# Altium PCB radxa_nx4_io_board_v1.11.PcbDoc (part 7 of 13) (continued)
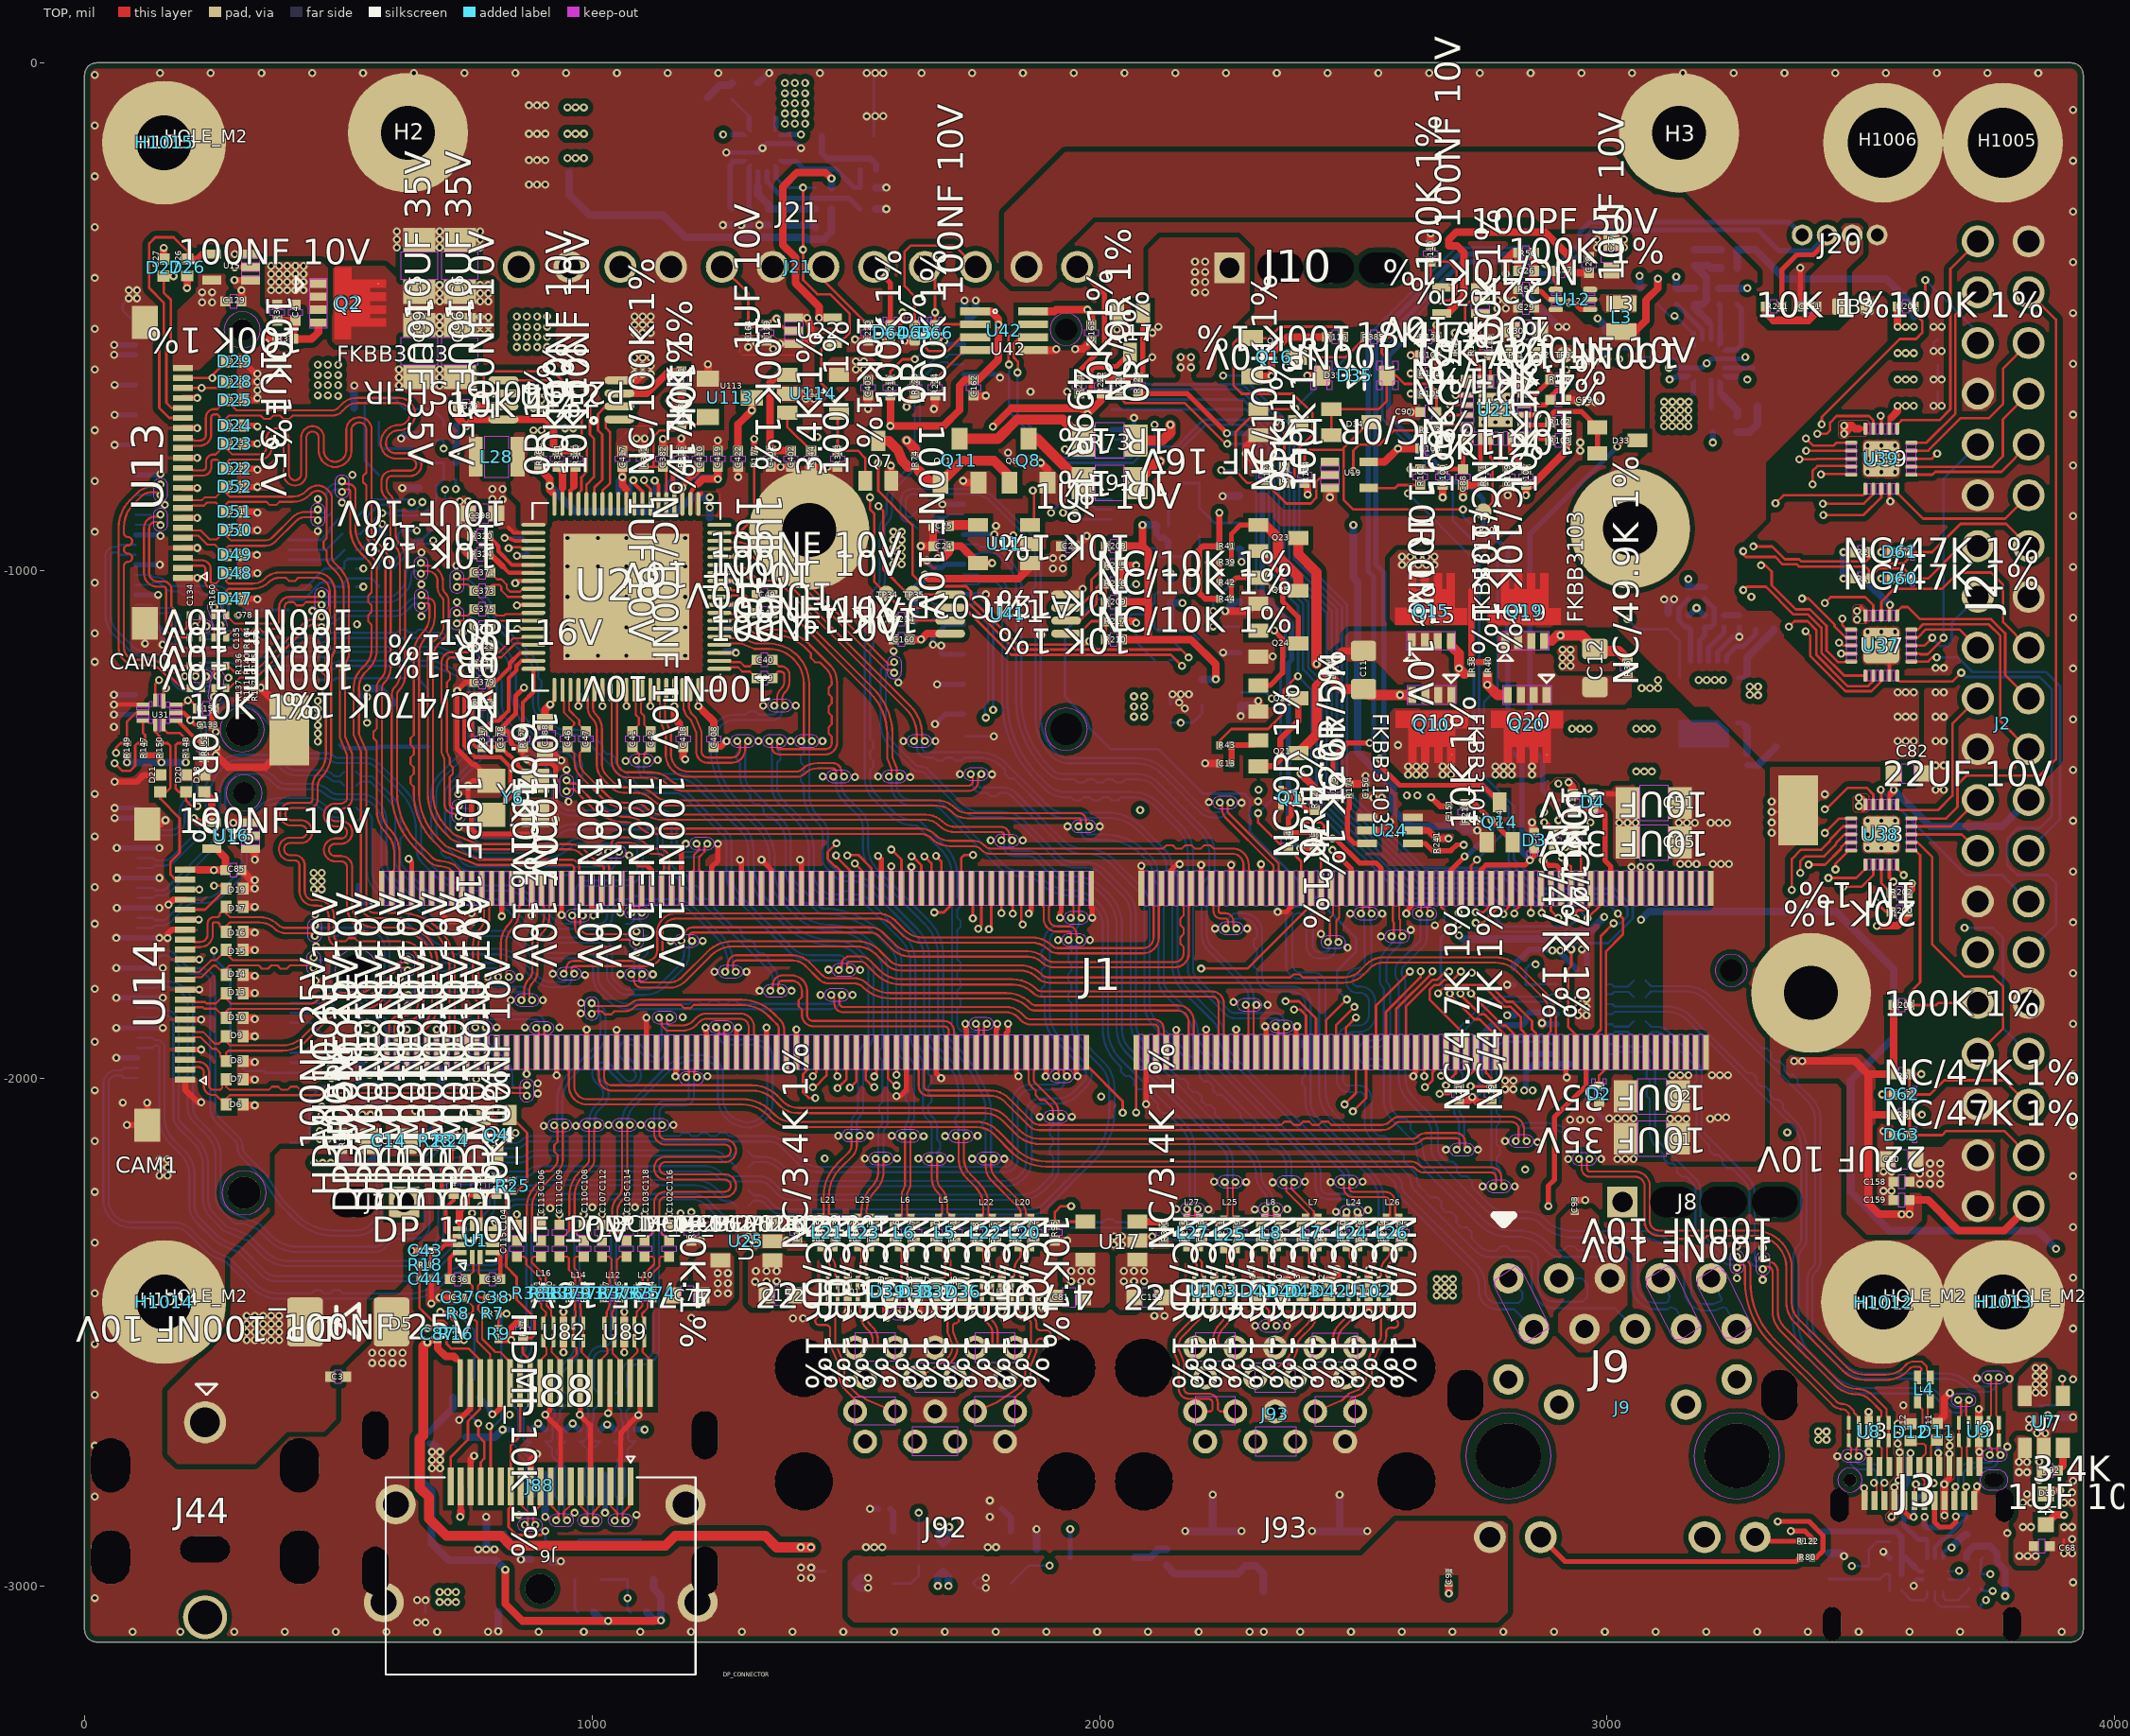
[diagram p0: TOP view]
## Nets (pads, with @x,y where several pads share a name; then routed paths per layer and width w, separated by ;. In a path a pad name is that pad's centre, name@x,y a point inside that pad or via, vN(x,y) a via of type N, cw(c..) or ccw(c..) an arc to the next point about the centre after c; other vN are vias at no path point) (continued)
  other v1: 453.56,-2167 469.56,-2167 485.56,-2167 464,-2120 480,-2120 464,-2104 468,-2072 484,-2072 468,-2056 452.52,-1628 468,-1628 452,-1612 468,-1612 452,-1596 468,-1596 460,-1337 460,-1321 460,-1305 460,-1289 460,-1273 460,-1257 460,-655 480,-655 460,-635 480,-635 500,-635 460,-615 480,-615 500,-615 460,-595 480,-595 500,-595 952,-188 968,-188 984,-188 952,-140 968,-140 984,-140 952,-88 968,-88 984,-88
MOD_SLEEP: J1.178 R14.1 R133.1 R226.1 U108.4 | length 3147.3
  TOP w5: R226.1@2040,-651.75 2040,-660 2050.09,-670.09 2167.88,-670.09 2248.44,-750.65 v1(2251.49,-750.65) ; v1(2312.55,-1477.99) 2312.55,-1496.55 2363.75,-1547.75 R14.1@2372,-1547.75 2397.04,-1572.79 J1.178@2397.04,-1626.09
  ART03 w5: v1(1901.78,-2959.75) 2016.5,-2845.03 2016.5,-2379.5 2072,-2324 2072,-2116 2112,-2076 2112,-2044 2057.58,-1989.58 2057.58,-1574.37 2153.96,-1477.99 v1(2312.55,-1477.99)
  BOTTOM w5: U108.4@1825.4,-2995.18 1860.83,-2959.75 R133.1@1876,-2959.75 v1(1901.78,-2959.75) ; v1(2251.49,-750.65) 2292.97,-750.65 2308.52,-766.2 2308.52,-1051.76 2365.94,-1109.18 2365.94,-1170.82 2356.49,-1180.27 2356.49,-1434.05 v1(2312.55,-1477.99)
MODE: J88.13 R17.2 U1.4 | length 341.4
  TOP w5: U1.4@804.48,-2327.87 819.47,-2327.87 831.25,-2339.65 831.25,-2371.25 852,-2392 852,-2436.54 887.1,-2471.64 887.1,-2505.99 881.34,-2511.75 R17.2@864,-2511.75 864,-2541.23 878.31,-2555.54 J88.13@878.31,-2600.64
MODULE_ID: J1.217 Q25.1 R42.1 R43.2 R44.2 | length 1520.8
  TOP w5: R43.2@2236.19,-1344 2236.19,-1335.81 2259.87,-1312.13 2331.87,-1312.13 2363.18,-1280.82 2363.18,-1234.7 2389.54,-1208.34 v1(2390.94,-1208.34) ; Q25.1@2312.63,-1014.41 2320.41,-1014.41 v1(2341,-1035) ; v1(2689.85,-1833.21) 2689.85,-1835.73 2738.12,-1884 2748.45,-1884 2780.9,-1916.45 J1.217@2780.9,-1948.92
  TOP w10: R44.2@2259.81,-1056 R42.1@2259.81,-1024 2269.4,-1014.41 Q25.1@2312.63,-1014.41
  BOTTOM w5: v1(2341,-1035) 2355.95,-1035 2390.94,-1069.99 v1(2390.94,-1208.34) 2417.5,-1234.9 2417.5,-1462.89 2610.61,-1656 2671.12,-1656 2679.33,-1664.21 2679.33,-1716.67 2672.16,-1723.84 2672.16,-1814.96 2689.85,-1832.65 v1(2689.85,-1833.21)
N61808: C161.1 FB3.2 J20.2 R211.1 | length 136.6
  TOP w15: R211.1@3312.25,-480 3312.25,-492.34 3327.25,-507.34 3396.75,-507.34 3411.75,-492.34 C161.1@3411.75,-480
N64509: R61.1 Y1.3 | length 84.6
  BOTTOM w5: R61.1@535.81,-2008 537.54,-2009.73 609.5,-2009.73 Y1.3@616.69,-2002.54
N185836: D1.1 R11.2 | length 68.8
  BOTTOM w15: D1.1@2069.75,-2944 2100,-2944 2115.75,-2928.25 R11.2@2132,-2928.25
N185848: J4.2 R11.1 | length 245.1
  BOTTOM w15: R11.1@2132,-2959.75 2148.25,-2976 2272,-2976 2287.16,-2960.84 2308.38,-2960.84 2323.39,-2975.85 J4.2@2323.39,-3010.36
N8251288: C3.1 C4.1 D5.2 J7.2 J44.1 Q2.1 Q2.2 Q2.3 R15.1 R36.1
  other v1: 320,-2516 336,-2516 352,-2516 368,-2516 384,-2516 320,-2500 336,-2500 352,-2500 368,-2500 384,-2500 320,-2484 336,-2484 352,-2484 368,-2484 384,-2484 320,-2468 336,-2468 352,-2468 368,-2468 384,-2468 368,-448 384,-448 400,-448 416,-448 432,-448 368,-432 384,-432 400,-432 416,-432 432,-432 368,-416 384,-416 400,-416 416,-416 432,-416 368,-400 384,-400 400,-400 416,-400 432,-400
N8251370: C4.2 Q2.4 R36.2 R37.1 | length 147.8
  TOP w15: R36.2@380,-507.75 C4.2@416,-507.75 416,-524 411.75,-528.25 R37.1@411.75,-544 448,-544 461.19,-530.81 Q2.4@461.19,-511.88
N8363376: C93.2 J9.4 J9.5
N8368111: J9.16 R80.2 | length 534.4
  TOP w10: J9.16@2869.02,-2903.84 2917.18,-2952 3372.19,-2952 R80.2@3380.19,-2944
N8485458: C130.1 J15.37 | length 74.7
  BOTTOM w4.06: C130.1@1663.81,-916 1674.63,-905.18 1700.52,-905.18 1704.52,-909.18 J15.37@1732.4,-909.18
N8485464: C131.1 J15.35 | length 75.3
  BOTTOM w4.06: C131.1@1663.81,-884 1674.63,-894.82 1699.18,-894.82 1704.51,-889.49 J15.35@1732.4,-889.49
N8552784: C102.1 L10.3 R374.1 | length 89.5
  TOP w4.06: L10.3@1113.86,-2413.17 1113.86,-2409.98 1110.18,-2406.3 1110.18,-2393.83 1133.18,-2370.83 1133.18,-2354.81 1136.24,-2351.75 C102.1@1152,-2351.75
N8552811: C103.1 L10.4 R375.1 | length 89.5
  TOP w4.06: L10.4@1096.14,-2413.17 1096.14,-2409.86 1099.82,-2406.18 1099.82,-2389.53 1122.82,-2366.53 1122.82,-2354.81 1119.76,-2351.75 C103.1@1104,-2351.75
N8552888: C107.1 L12.4 R377.1 | length 80.5
  TOP w4.06: C107.1@1020,-2351.75 1033.76,-2351.75 1038.82,-2356.81 1038.82,-2378.52 1034.82,-2382.52 1034.82,-2405.18 1031.14,-2408.86 L12.4@1031.14,-2413.17
N8552892: C105.1 L12.3 R376.1 | length 79.9
  TOP w4.06: L12.3@1048.86,-2413.17 1048.86,-2408.86 1045.18,-2405.18 1045.18,-2386.82 1049.18,-2382.82 1049.18,-2357.81 1055.24,-2351.75 C105.1@1068,-2351.75
N8553018: C111.1 L14.4 R379.1 | length 84.9
  TOP w4.06: C111.1@936,-2351.75 951.76,-2351.75 954.82,-2354.81 954.82,-2377.49 966.82,-2389.49 966.82,-2406.3 963.14,-2409.98 L14.4@963.14,-2413.17
N8553022: C110.1 L14.3 R378.1 | length 84.9
  TOP w4.06: L14.3@980.86,-2413.17 980.86,-2408.86 977.18,-2405.18 977.18,-2385.19 965.18,-2373.19 965.18,-2354.81 968.24,-2351.75 C110.1@984,-2351.75
N8553152: C113.1 L16.3 R380.1 | length 90.8
  TOP w4.06: C113.1@900,-2351.75 885.24,-2351.75 881.36,-2355.63 881.36,-2362.75 909.18,-2390.57 909.18,-2405.18 912.86,-2408.86 L16.3@912.86,-2413.17
N8553156: C115.1 L16.4 R381.1 | length 91
  TOP w4.06: C115.1@852,-2351.75 866.76,-2351.75 871,-2355.99 871,-2367.05 898.82,-2394.87 898.82,-2405.18 895.14,-2408.86 L16.4@895.14,-2413.17
N8562821: R131.2 U30.4 | length 77.1
  BOTTOM w5: U30.4@1593.4,-2995.18 1628.82,-2995.18 1644,-2980 R131.2@1644,-2959.75
N8566421: C108.2 L13.2 R368.1 | length 401
  TOP w4.06: C108.2@984,-2288.25 v1(984,-2268)
  BOTTOM w4.06: R368.1@948,-2620.19 937.18,-2609.37 937.18,-2596.97 cw(c968.11,-2596.97) 946.24,-2575.1 962.29,-2559.05 ccw(c929.77,-2526.53) 975.76,-2526.53 975.76,-2329.12 ccw(c950.29,-2329.13) 968.3,-2311.12 ; 968.27,-2311.09 cw(c978.58,-2300.78) 964,-2300.78 964,-2288 v1(984,-2268)
N8566425: C109.2 L13.1 R369.1 | length 400
  TOP w4.06: C109.2@936,-2288.25 v1(936,-2268)
  BOTTOM w4.06: R369.1@916,-2620.19 926.82,-2609.37 926.82,-2596.97 cw(c968.11,-2596.96) 938.91,-2567.77 954.96,-2551.72 ccw(c929.77,-2526.52) 965.4,-2526.53 965.4,-2329.13 ccw(c950.29,-2329.14) 960.97,-2318.45 ; v1(936,-2268) 953.64,-2285.64 953.64,-2300.77 ccw(c978.58,-2300.79) 960.94,-2318.42
N8566457: C112.2 L15.1 R370.1 | length 411
  TOP w4.06: C112.2@1020,-2288.25 v1(1020,-2268)
  BOTTOM w4.06: R370.1@984,-2620.19 992.82,-2611.37 992.82,-2555.49 cw(c1020.91,-2555.49) 1020.91,-2527.4 1025.58,-2527.4 ccw(c1025.58,-2515.37) 1037.61,-2515.37 1037.61,-2285.61 v1(1020,-2268)
N8566461: C114.2 L15.2 R371.1 | length 412.4
  TOP w4.06: C114.2@1068,-2288.25 v1(1068,-2268)
  BOTTOM w4.06: R371.1@1013,-2620.19 1003.18,-2610.37 1003.18,-2555.49 cw(c1020.91,-2555.49) 1020.91,-2537.76 1025.58,-2537.76 ccw(c1025.58,-2515.37) 1047.97,-2515.37 1047.97,-2288.03 v1(1068,-2268)
N8618673: C25.1 U11.4 | length 57.6
  TOP w20: C25.1@1703.75,-912 1705.15,-910.6 U11.4@1760.82,-910.6
N8621770: L3.1 U12.2
N8621786: C26.2 R56.2 R58.1 U12.5 | length 123.6
  TOP w10: R58.1@2855.75,-446 2859.75,-450 2869.6,-450 2885.88,-466.28 U12.5@2898.92,-466.28
  TOP w15: R58.1@2855.75,-446 C26.2@2855.75,-410 R56.2@2855.75,-374
N8735489: D30.2 R12.1 | length 3033
  TOP w15: v1(2396,-1400) 2424,-1428 R12.1@2424,-1440.25 ; D30.2@3864,-2819.25 3871.25,-2812 v1(3892,-2812)
  ART04 w15: v1(2396,-1400) 2396,-1434.32 2574.76,-1613.08 2646.91,-1613.08 2685.83,-1652 2685.83,-1706.85 2697.83,-1718.85 v1(2708,-1718.85) ; v1(2994.26,-1682.5) 2994.26,-1672.02 3011.78,-1654.5 3033.01,-1654.5 v1(3066.51,-1688) ; v1(3884,-2336) 3884,-2348 3876,-2356 3876,-2492 3816,-2552 3816,-2626.31 3832,-2642.31 3881,-2642.31 3896,-2657.31 3896,-2760 3892,-2764 v1(3892,-2812)
  BOTTOM w15: v1(2708,-1718.85) 2715.15,-1726 2922.02,-1726 2936.02,-1712 2964.76,-1712 v1(2994.26,-1682.5) ; v1(3066.51,-1688) 3082.51,-1672 3451,-1672 3564,-1785 3564,-1920 3480,-2004 3480,-2224 3556,-2300 3848,-2300 v1(3884,-2336)
N9086469: C136.1 J14.47 | length 1631
  BOTTOM w4.06: J14.47@105.44,-1920.58 134.9,-1920.58 139.56,-1925.24 148.89,-1925.24 158.36,-1934.71 158.36,-2078.06 ccw(c220.28,-2078.05) 176.5,-2121.84 197.97,-2143.31 cw(c151.16,-2190.12) 217.36,-2190.12 217.36,-2250.43 ccw(c253.49,-2250.42) 227.95,-2275.98 263.5,-2311.53 275.69,-2319.68 309.81,-2333.81 357.05,-2381.05 ccw(c377.79,-2360.31) 377.79,-2389.64 649.38,-2389.64 ccw(c649.36,-2345.37) 680.67,-2376.67 731.01,-2326.32 ccw(c724.69,-2320) 733.63,-2320 cw(c763.31,-2319.99) 736.81,-2306.62 cw(c763.3,-2320) 742.31,-2299.02 749.97,-2291.37 cw(c763.8,-2305.2) 763.8,-2285.64 ; 763.84,-2285.64 ccw(c763.83,-2269.54) 775.22,-2280.92 793.1,-2263.04 ccw(c780.84,-2250.76) 798.19,-2250.77 798.19,-2237.23 cw(c824,-2237.23) 824,-2211.42 880.7,-2211.42 ccw(c880.69,-2197.54) 890.51,-2207.35 cw(c906.5,-2223.32) 906.5,-2200.72 1204.53,-2200.72 cw(c1204.53,-2258.76) 1245.57,-2217.72 1254.69,-2226.84 ccw(c1267.14,-2214.41) 1267.13,-2232 1272.19,-2232 C136.1@1284.19,-2220
N9086473: C137.1 J14.49 | length 1629.1
  BOTTOM w4.06: J14.49@105.44,-1940.27 134.89,-1940.27 139.56,-1935.6 144.59,-1935.6 148,-1939.01 148,-2078.07 ccw(c220.28,-2078.06) 169.17,-2129.17 190.64,-2150.64 cw(c151.17,-2190.13) 207,-2190.12 207,-2250.44 ccw(c253.49,-2250.43) 220.62,-2283.31 256.89,-2319.58 270.78,-2328.87 303.94,-2342.6 349.72,-2388.38 ccw(c377.78,-2360.3) 377.79,-2400 649.37,-2400 ccw(c649.37,-2345.37) 688,-2384 738.34,-2333.65 ccw(c724.69,-2319.99) 744,-2320 cw(c763.31,-2320) 749.65,-2306.35 757.3,-2298.7 cw(c763.81,-2305.19) 763.8,-2296 763.85,-2296 ccw(c763.84,-2269.54) 782.55,-2288.25 800.43,-2270.37 ccw(c780.84,-2250.77) 808.55,-2250.78 808.55,-2237.23 cw(c824,-2237.23) 824,-2221.78 880.71,-2221.78 ccw(c880.7,-2197.54) 897.84,-2214.68 ; 897.85,-2214.67 cw(c906.51,-2223.31) 906.5,-2211.08 1204.53,-2211.08 cw(c1204.52,-2258.75) 1238.24,-2225.05 1247.36,-2234.17 ccw(c1267.13,-2214.4) 1267.12,-2242.36 1274.55,-2242.36 C137.1@1284.19,-2252
N9086489: C139.1 J14.35 | length 1714.7
  BOTTOM w4.06: J14.35@105.44,-1802.47 142.47,-1802.47 149.64,-1809.64 164,-1809.64 cw(c164,-1860) 214.36,-1860 214.36,-2058.22 ccw(c243.7,-2058.22) 222.95,-2078.95 248.48,-2104.48 cw(c198.96,-2154.01) 269,-2154.01 269,-2230.05 ccw(c302.68,-2230.05) 278.87,-2253.87 289.75,-2264.75 347.2,-2288.54 370.26,-2311.6 ccw(c419.51,-2262.35) 419.5,-2332 572.75,-2332 ccw(c572.75,-2314.5) 585.13,-2326.87 596.52,-2315.48 cw(c620.34,-2339.29) 620.34,-2305.61 654.22,-2305.61 ccw(c654.22,-2290.19) 669.64,-2290.19 669.64,-2228.04 cw(c721.67,-2228.05) 684.88,-2191.26 706.73,-2169.41 cw(c740.26,-2202.93) 740.25,-2155.52 859.4,-2155.52 ccw(c859.4,-2142.25) 868.53,-2151.88 cw(c891.47,-2174.29) 891.47,-2142.22 1237.71,-2142.22 cw(c1237.7,-2172.44) 1259.07,-2151.07 ; 1259.09,-2151.09 ccw(c1268.52,-2141.68) 1268.51,-2155 1273.19,-2155 C139.1@1284.19,-2144
N9086493: C138.1 J14.37 | length 1715.2
  BOTTOM w4.06: J14.37@105.44,-1822.16 145.3,-1822.16 147.46,-1820 164,-1820 cw(c164,-1860) 204,-1860 204,-2058.21 ccw(c243.7,-2058.22) 215.62,-2086.28 241.15,-2111.81 cw(c198.97,-2154.02) 258.64,-2154.01 258.64,-2230.05 ccw(c302.68,-2230.06) 271.54,-2261.2 296.56,-2286.22 314.51,-2286.22 341.33,-2297.33 362.93,-2318.93 ccw(c419.5,-2262.35) 419.49,-2342.36 572.75,-2342.36 ccw(c572.76,-2314.49) 592.46,-2334.2 603.85,-2322.81 cw(c620.35,-2339.29) 620.34,-2315.97 654.22,-2315.97 ccw(c654.22,-2290.19) 680,-2290.19 680,-2228.05 cw(c721.66,-2228.06) 692.21,-2198.59 714.06,-2176.74 cw(c740.27,-2202.93) 740.26,-2165.88 859.4,-2165.88 ccw(c859.41,-2142.25) 875.84,-2159.23 cw(c891.48,-2174.29) 891.47,-2152.58 1237.7,-2152.58 cw(c1237.69,-2172.44) 1251.74,-2158.4 ccw(c1268.51,-2141.68) 1268.51,-2165.36 1273.55,-2165.36 C138.1@1284.19,-2176
N9086509: C142.1 J14.23 | length 563.4
  BOTTOM w4.06: J14.23@105.44,-1684.36 134.89,-1684.36 139.56,-1689.03 154.27,-1689.03 ccw(c154.25,-1677.67) 162.3,-1685.69 191.51,-1656.49 cw(c219.95,-1684.93) 219.94,-1644.71 237.24,-1644.71 ccw(c237.23,-1602.46) 267.11,-1632.33 296.62,-1602.82 ccw(c265.12,-1571.3) 309.68,-1571.31 309.68,-1518.79 cw(c355.89,-1518.8) 323.22,-1486.12 344.57,-1464.77 cw(c385.06,-1505.27) 385.06,-1448 437.56,-1448 cw(c437.57,-1502.14) 475.81,-1463.82 481.18,-1469.18 ccw(c497.67,-1452.65) 497.66,-1476 504,-1476 504,-1475.19 C142.1@512.19,-1467
N9086513: C141.1 J14.25 | length 563
  BOTTOM w4.06: J14.25@105.44,-1704.05 134.9,-1704.05 139.56,-1699.39 154.27,-1699.39 ccw(c154.27,-1677.66) 169.63,-1693.03 198.84,-1663.82 cw(c219.96,-1684.93) 219.95,-1655.07 237.23,-1655.07 ccw(c237.24,-1602.46) 274.44,-1639.66 303.95,-1610.15 ccw(c265.12,-1571.31) 320.04,-1571.31 320.04,-1518.8 cw(c355.88,-1518.81) 330.55,-1493.45 351.9,-1472.1 cw(c385.07,-1505.26) 385.06,-1458.36 437.56,-1458.36 cw(c437.55,-1502.13) 468.48,-1471.16 473.86,-1476.52 ccw(c497.66,-1452.65) 497.65,-1486.36 504,-1486.36 512.19,-1494.55 C141.1@512.19,-1495
N9086529: C143.1 J14.11 | length 555.7
  BOTTOM w4.06: J14.11@105.44,-1566.25 135.25,-1566.25 139.92,-1570.92 155.89,-1570.92 ccw(c155.89,-1545.5) 173.87,-1563.47 215.79,-1521.55 ccw(c159.14,-1464.89) 239.26,-1464.9 239.26,-1424.7 251.29,-1395.65 270.8,-1376.14 cw(c302.4,-1407.74) 302.4,-1363.05 361.61,-1363.05 cw(c361.62,-1395.48) 384.54,-1372.54 397.49,-1385.49 ccw(c416,-1366.99) 416,-1393.16 465.76,-1393.16 cw(c465.75,-1430.34) 492.04,-1404.05 ccw(c494.96,-1401.14) 494.95,-1405.26 502.93,-1405.26 C143.1@512.19,-1396
N9086533: C144.1 J14.13 | length 555.2
  BOTTOM w4.06: J14.13@105.44,-1585.94 135.06,-1585.94 139.72,-1581.28 155.89,-1581.28 ccw(c155.9,-1545.5) 181.2,-1570.8 223.12,-1528.88 ccw(c159.14,-1464.9) 249.62,-1464.91 249.62,-1426.77 260.08,-1401.52 278.13,-1383.47 cw(c302.41,-1407.73) 302.4,-1373.41 361.61,-1373.41 cw(c361.61,-1395.48) 377.21,-1379.87 390.16,-1392.82 ccw(c415.99,-1366.99) 415.99,-1403.52 465.75,-1403.52 cw(c465.74,-1430.34) 484.71,-1411.38 ccw(c494.95,-1401.13) 494.95,-1415.62 503.81,-1415.62 C144.1@512.19,-1424
N9129239: C375.1 U28.50 | length 92.7
  TOP w4.06: C375.1@799.75,-1076 812.57,-1088.82 827.18,-1088.82 829.81,-1086.19 863.8,-1086.19 866.49,-1083.5 U28.50@884.93,-1083.5
N9129265: C377.1 U28.51 | length 92.7
  TOP w4.06: C377.1@799.75,-1112 812.57,-1099.18 831.48,-1099.18 834.11,-1096.55 864.56,-1096.55 867.25,-1099.24 U28.51@884.93,-1099.24
N9129367: R345.1 R361.1 U28.20 U28.38 | length 496.9
  TOP w8: 922.01,-846.01 926.27,-850.27 U28.38@926.27,-868.93 ; U28.20@1209.73,-868.93 1209.73,-854.27 1216,-848
  TOP w15: R361.1@896,-795.75 896,-798.53 917,-819.53 v1(917,-833.5) 917,-841 922.01,-846.01
  BOTTOM w15: v1(917,-833.5) 967.5,-884 1168,-884 1196,-856 v1(1232,-856) v1(1232,-876) 1232.25,-876.25 R345.1@1232.25,-896
N9129587: L28.2 U28.39
N9129707: R321.1 U28.54 | length 102.9
  TOP w4.06: R321.1@799.75,-1184 812.57,-1171.18 821.8,-1171.18 849.18,-1143.8 863.8,-1143.8 866.49,-1146.49 U28.54@884.93,-1146.49
N9129711: R322.1 U28.53 | length 102.9
  TOP w4.06: R322.1@799.75,-1148 812.57,-1160.82 817.5,-1160.82 844.88,-1133.44 862.56,-1133.44 865.26,-1130.74 U28.53@884.93,-1130.74
N9129827: R340.1 U28.36 | length 77.4
  TOP w8: U28.36@957.76,-868.93 957.76,-842.62 963.94,-836.44 963.94,-834.24 964.26,-833.92
  TOP w15: 964.26,-833.92 964.26,-799.49 R340.1@968,-795.75
N9129855: R341.1 U28.37 | length 77.3
  TOP w8: U28.37@942.02,-868.93 942.02,-837.72
  TOP w15: R341.1@932,-795.75 942,-805.75 942,-837.7
N9130171: R324.1 U28.45 | length 104.4
  TOP w8: 824.41,-992 837.17,-1004.76 U28.45@884.93,-1004.76
  TOP w12: R324.1@795.75,-968 800.41,-968 824.41,-992
N9130327: R320.1 U28.44 | length 118.7
  TOP w8: R320.1@795.75,-932 816,-952.25 816,-962.36 842.65,-989.01 U28.44@884.93,-989.01
N9130339: R326.1 U28.23 | length 81.1
  TOP w8: U28.23@1162.49,-868.93 1162.49,-846.49 1159.68,-843.68 1159.68,-812.07 R326.1@1176,-795.75
N9130369: R327.1 U28.57 | length 131.2
  TOP w8: R327.1@864,-1316.25 864,-1260 884.93,-1239.07 U28.57@884.93,-1193.73
N9130407: C371.1 U28.47 | length 107.1
  TOP w4.06: C371.1@799.75,-1004 813.39,-1017.64 821.88,-1017.64 832,-1027.76 832,-1034.7 838.94,-1041.64 858.35,-1041.64 863.74,-1036.25 U28.47@884.93,-1036.25
N9130411: C373.1 U28.48 | length 108.8
  TOP w4.06: C373.1@799.75,-1040 799.75,-1032.06 803.81,-1028 817.58,-1028 821.64,-1032.06 821.64,-1039 834.64,-1052 U28.48@884.93,-1052
N9130902: C39.1 U28.1 | length 83.1
  TOP w4.06: U28.1@1251.07,-1193.73 1271.27,-1193.73 1274.07,-1190.93 1288.26,-1190.93 1296.51,-1199.18 1311.43,-1199.18 C39.1@1324.25,-1212
N9130906: C40.1 U28.2 | length 83
  TOP w4.06: U28.2@1251.07,-1177.98 1269.98,-1177.98 1272.57,-1180.57 1292.56,-1180.57 1300.81,-1188.82 1311.43,-1188.82 C40.1@1324.25,-1176
N9131218: C41.1 U28.68 | length 90.1
  TOP w4.06: C41.1@1080,-1316.25 1092.64,-1303.61 1092.64,-1290.5 1086.44,-1284.3 1086.44,-1258.44 1083.75,-1255.75 U28.68@1083.75,-1235.07
N9131222: C42.1 U28.69 | length 90.3
  TOP w4.06: U28.69@1099.5,-1235.07 1099.5,-1256.5 1096.8,-1259.2 1096.8,-1280 1103,-1286.2 1103,-1303.25 C42.1@1116,-1316.25
N9131537: C46.1 U28.59 | length 95.9
  TOP w4.06: U28.59@942.02,-1235.07 942.02,-1254.03 944.71,-1256.72 944.71,-1279.37 964.82,-1299.48 964.82,-1303.43 C46.1@952,-1316.25
N9131541: C47.1 U28.60 | length 95.9
  TOP w4.06: U28.60@957.76,-1235.07 957.76,-1254.23 955.07,-1256.92 955.07,-1275.07 975.18,-1295.18 975.18,-1303.43 C47.1@988,-1316.25
N9131837: C48.1 U28.10 | length 88.7
  TOP w4.06: U28.10@1251.07,-1052 1272,-1052 1274.69,-1049.31 1287.6,-1049.31 1304.65,-1066.36 1306.61,-1066.36 C48.1@1324.25,-1084
N9131841: C49.1 U28.11 | length 87.3
  TOP w4.06: U28.11@1251.07,-1036.25 1272.25,-1036.25 1274.95,-1038.95 1291.9,-1038.95 1309.3,-1056.35 1319.84,-1056.35 1324.25,-1051.94 C49.1@1324.25,-1048
N9132602: R331.1 U112.3 | length 139.6
  TOP w15: U112.3@1054.2,-651.2 1108.22,-651.2 1151.17,-608.25 R331.1@1176,-608.25
N9132628: R329.2 U112.7 | length 58.1
  TOP w15: R329.2@767.75,-677 770.75,-677 770.95,-676.8 U112.7@825.8,-676.8
N9132672: C378.2 R317.1 R323.2 Y6.3 | length 236.1
  TOP w8: R323.2@768.25,-1263 764.16,-1267.09 764.16,-1340.17 771.74,-1347.75 R317.1@784,-1347.75 C378.2@820,-1347.75 836.21,-1363.96 837.73,-1363.96 854.38,-1380.61 854.38,-1384.55 884.37,-1414.54 Y6.3@888.31,-1414.54
N9148966: R344.2 U114.3 | length 94.4
  TOP w5: U114.3@1384.82,-689.4 1384.82,-717.07 R344.2@1432,-764.25
N9400328: C104.2 L11.1 R366.1 | length 389
  TOP w4.06: C104.2@852,-2288.25 v1(852,-2268)
  BOTTOM w4.06: R366.1@844,-2620.19 854.82,-2609.37 854.82,-2566.77 cw(c887.61,-2566.76) 864.42,-2543.58 864.46,-2543.54 ccw(c849.12,-2528.19) 870.82,-2528.2 870.82,-2286.82 v1(852,-2268)
N9400354: C106.2 L11.2 R367.1 | length 389
  TOP w4.06: C106.2@900,-2288.25 v1(900,-2268)
  BOTTOM w4.06: R367.1@876,-2620.19 865.18,-2609.37 865.18,-2566.77 cw(c887.61,-2566.77) 871.75,-2550.91 871.79,-2550.87 ccw(c849.12,-2528.2) 881.18,-2528.2 881.18,-2286.82 v1(900,-2268)
N9400941: C116.2 L17.2 R372.1 | length 426.2
  TOP w4.06: C116.2@1152,-2288.25 v1(1152,-2268)
  BOTTOM w4.06: R372.1@1080,-2620.19 1069.18,-2609.37 1069.18,-2582.82 cw(c1088,-2582.82) 1088,-2564 1099.94,-2564 ccw(c1099.94,-2531.94) 1132,-2531.94 1132,-2288 v1(1152,-2268)
N9400985: C118.2 L17.1 R373.1 | length 425.2
  TOP w4.06: C118.2@1104,-2288.25 v1(1104,-2268)
  BOTTOM w4.06: R373.1@1048,-2620.19 1058.82,-2609.37 1058.82,-2582.82 cw(c1088,-2582.82) 1088,-2553.64 1099.94,-2553.64 ccw(c1099.94,-2531.94) 1121.64,-2531.94 1121.64,-2285.64 v1(1104,-2268)
N9430234: R390.2 U17.3 | length 54.2
  TOP w15: U17.3@2074.18,-2282.6 2120.35,-2282.6 R390.2@2126,-2288.25
N9444117: R391.2 U108.3 | length 52.1
  BOTTOM w12: R391.2@1807.81,-2848 1825.4,-2865.59 U108.3@1825.4,-2892.82
N9444764: R135.2 U30.3 | length 47.1
  BOTTOM w12: R135.2@1587.81,-2848 1593.4,-2853.59 U30.3@1593.4,-2892.82
N9554946: R223.2 R224.2 U42.4 | length 142.9
  TOP w5: R223.2@1636,-624.25 R224.2@1676,-624.25 1733.86,-566.39 U42.4@1754.91,-566.39
N9814684: C35.1 U1.3 | length 62.9
  TOP w8: U1.3@804.48,-2343.62 811.62,-2343.62 819.75,-2351.75 C35.1@819.75,-2396
N9814688: C36.1 U1.12 | length 65.7
  TOP w8: C36.1@720.25,-2396 720.25,-2353.75 730.38,-2343.62 U1.12@739.52,-2343.62
N9850018: C43.1 R18.1 U1.11 | length 88.7
  TOP w8: R18.1@683.81,-2368 C43.1@683.81,-2340 698.72,-2340 710.85,-2327.87 U1.11@739.52,-2327.87
N9850606: C45.1 R23.1 R24.1 U1.10 | length 261.8
  TOP w8: R23.1@692,-2135.81 R24.1@724,-2135.81 724,-2160 704,-2180 704,-2215.99 715.76,-2227.75 C45.1@728,-2227.75 728,-2239.99 712,-2255.99 712,-2301.72 722.41,-2312.13 U1.10@739.52,-2312.13
N9852470: Q4.1 R25.2 U1.5 | length 299.3
  TOP w5: U1.5@804.48,-2312.13 823.87,-2312.13 830.81,-2305.19 830.81,-2235.03 842.03,-2223.81 R25.2@844,-2223.81 852.19,-2223.81 872.38,-2203.62 872.38,-2107.42 Q4.1@837.59,-2072.63
N9856822: Q9.3 R27.2 R29.2 R30.2 R31.2 R32.2 R33.2 R75.2 R76.2 | length 529
  ART03 w15: v1(824,-2692.19) 882,-2692.19 v1(894,-2680.19) 905.81,-2692 950.19,-2692 v1(962,-2680.19) 969.81,-2688 1024.19,-2688 v1(1030,-2682.19) 1066.19,-2682.19 1076.19,-2692.19 v1(1104,-2692.19)
  BOTTOM w12: v1(824,-2692.19) R31.2@840,-2692.19 ; R30.2@880,-2692.19 881,-2692.19 893,-2680.19 v1(894,-2680.19) 895,-2680.19 907,-2692.19 R32.2@908,-2692.19 ; R33.2@948,-2692.19 949,-2692.19 961,-2680.19 v1(962,-2680.19) 963,-2680.19 975,-2692.19 R29.2@976,-2692.19 ; R27.2@1017,-2692.19 1027,-2682.19 v1(1030,-2682.19) 1035,-2682.19 R75.2@1045,-2692.19 ; R76.2@1086,-2692.19 v1(1104,-2692.19)
  BOTTOM w15: Q9.3@752,-2707.37 808.82,-2707.37 v1(824,-2692.19)
N9898385: C14.1 R15.2
N9901938: R20.1 R78.2 U4.6 | length 150.2
  BOTTOM w10: U4.6@3182.28,-1179.23 3182.28,-1137.73 3192,-1128.01 R20.1@3192,-1111.81 3204.12,-1111.81 3210.88,-1105.05 3210.88,-1074.69 R78.2@3192,-1055.81
N9901948: C58.2 L9.1 U4.2 U4.12 | length 70.8
  BOTTOM w12: C58.2@3276,-1383.81 3295.81,-1383.81
  BOTTOM w15: 3295.81,-1383.81 3296.19,-1383.81 3332,-1348
N9901952: C58.1 U4.13 | length 72.6
  BOTTOM w10: U4.13@3257.09,-1300.29 3265.39,-1300.29 3272,-1306.9
  BOTTOM w15: 3272,-1306.9 3276,-1310.9 C58.1@3276,-1360.19
N9902132: R22.1 R83.2 U4.5 | length 144.3
  BOTTOM w10: R83.2@3160,-1055.81 3141.12,-1074.69 3141.12,-1098.66 3154.27,-1111.81 R22.1@3160,-1111.81 3164.57,-1116.38 U4.5@3164.57,-1179.23
N9902284: C63.2 U4.7 | length 79.8
  BOTTOM w10: U4.7@3200,-1179.23 3200,-1152 3230,-1122 C63.2@3230,-1111.81
N9902308: C64.1 U4.10 | length 131.8
  BOTTOM w8: U4.10@3257.09,-1211.51 3268.49,-1211.51 3276,-1204
  BOTTOM w15: 3276,-1204 3276,-1170.53 3328,-1118.53 C64.1@3328,-1115.75
N9911984: C63.1 R82.2 | length 30
  BOTTOM w12: C63.1@3230,-1088.19 R82.2@3260,-1088.19
N9913233: C11.2 Q10.4 Q15.4 Q21.3 R34.2 R38.2 | length 582.8
  TOP w12: 2604,-1245.19 Q10.4@2616.12,-1245.19 ; 2718.81,-1203.81 R38.2@2732,-1203.81
  TOP w15: Q15.4@2691.88,-1138.81 2691.88,-1147.88 Q15.4@2696,-1152
  TOP w20: Q21.3@2391.37,-1360 2428,-1323.37 2428,-1228 2444.25,-1211.75 R34.2@2456,-1211.75 2477.75,-1233.5 C11.2@2520,-1233.5 2531.69,-1245.19 v1(2592,-1245.19) 2604,-1245.19 ; Q15.4@2696,-1152 2708,-1164 v1(2708,-1193) 2718.81,-1203.81
  ART04 w20: v1(2592,-1245.19) 2655.81,-1245.19 v1(2708,-1193)
N9913259: C11.1 Q10.1 Q10.2 Q10.3 Q15.1 Q15.2 Q15.3 R34.1 | length 73
  TOP w15: R34.1@2456,-1180.25 2477.75,-1158.5 C11.1@2520,-1158.5
N9914169: C12.2 Q19.4 Q20.4 Q23.3 R35.2 R40.2 | length 1121.1
  TOP w15: 2792,-1245.19 Q20.4@2804.12,-1245.19 ; Q19.4@2875.88,-1138.81 2890.81,-1138.81
  TOP w20: Q23.3@2391.37,-936 2391.37,-967.37 2427.44,-1003.44 v1(2427.44,-1184) ; R40.2@2764,-1203.81 v1(2764,-1225.07) 2784.12,-1245.19 2792,-1245.19 ; 2890.81,-1138.81 2901.62,-1128 v1(2908,-1128) 2949.5,-1128 C12.2@2976,-1154.5 2980,-1158.5 3022.25,-1158.5 R35.2@3040,-1176.25
  ART04 w20: v1(2427.44,-1184) 2543.44,-1300 2689.07,-1300 v1(2764,-1225.07) 2861.07,-1128 v1(2908,-1128)
N9914173: C12.1 Q19.1 Q19.2 Q19.3 Q20.1 Q20.2 Q20.3 R35.1
N9915077: Q21.2 Q22.3 | length 183.6
  TOP w12: Q21.2@2312.63,-1385.59 2342.41,-1385.59 2356,-1372 2356,-1332.01 2391.37,-1296.64 Q22.3@2391.37,-1252
N9915149: Q23.2 Q24.3 | length 215
  TOP w10: Q23.2@2312.63,-961.59 2360.68,-1009.64 2360.68,-1060.68 2391.37,-1091.37 Q24.3@2391.37,-1144
N9915364: Q23.1 Q25.3 R39.1 R41.2 | length 286.3
  TOP w10: R39.1@2259.81,-984 R41.2@2259.81,-952 2259.81,-928.19 2277.59,-910.41 Q23.1@2312.63,-910.41
  TOP w20: Q23.1@2312.63,-910.41 2326.41,-910.41 2352,-936 2352,-972.66 2391.37,-1012.03 Q25.3@2391.37,-1040
N9916232: C13.1 Q21.1 R43.1 | length 92.8
  TOP w12: C13.1@2259.81,-1380 R43.1@2259.81,-1344 2303.04,-1344 Q21.1@2312.63,-1334.41
N9918359: R45.2 R124.1 U21.10 | length 95.7
  TOP w10: R45.2@2700,-571.81 R124.1@2732,-571.81 2732,-584 2750.47,-602.47 U21.10@2750.47,-627.9
N9919192: C16.1 L1.1 U3.5 U3.15 U3.16 | length 319.4
  ART04 w15: v1(3123,-624) v1(3276,-624)
  BOTTOM w10: v1(3123,-624) 3128,-624 3133.43,-618.57 U3.5@3148.76,-618.57 ; U3.15@3231.14,-600.86 U3.15@3243.24,-600.86 3287.14,-600.86
  BOTTOM w15: C16.1@3256,-727.75 3280,-727.75 3296,-711.75 3296,-676
N9919250: C18.1 R48.2 R53.1 U3.11 | length 241.9
  BOTTOM w10: 3198.83,-509.17 3204.86,-515.2 U3.11@3204.86,-544.76
  BOTTOM w15: 3198.83,-509.17 3172,-482.34 R53.1@3172,-475.75 3188.25,-475.75 3195.86,-468.14 3195.86,-423.61 C18.1@3172,-399.75 3199.75,-399.75 3204,-404 R48.2@3224.25,-404
N9919258: R46.2 R50.2 U3.8
N9919266: R51.2 U3.10 | length 90.6
  BOTTOM w10: R51.2@3136,-475.75 3136.66,-475.75 3187.14,-526.23 U3.10@3187.14,-544.76
N9919322: C22.1 U3.13 | length 108.2
  BOTTOM w10: U3.13@3243.24,-565.43 3254.57,-565.43 3264,-556 3264,-483.75 C22.1@3256,-475.75
N9919456: C16.2 U3.1 | length 70.9
  BOTTOM w10: U3.1@3222.57,-639.24 3222.57,-650.57 3228,-656
  BOTTOM w15: 3228,-656 3256,-684 C16.2@3256,-696.25
N9919572: C18.2 R47.2 | length 52.4
  BOTTOM w15: C18.2@3172,-368.25 3224,-368.25 R47.2@3224.25,-368
N9919640: R52.2 U3.12 | length 70.1
  BOTTOM w10: R52.2@3220,-475.75 3222.57,-478.32 U3.12@3222.57,-544.76
N9923637: C34.2 J3.B2 U9.5 U9.6 | length 1621.5
  TOP w4.06: J3.B2@3703.66,-2831.73 3703.66,-2808.43 v1(3707.12,-2804.97) ; v1(3771.68,-2589.32) 3766.36,-2594.64 3766.36,-2664 3771.37,-2669.01 U9.6@3771.37,-2678.78 U9.5@3771.37,-2713.22 3771.37,-2722.99 3768.36,-2726 3768.36,-2734.27 3774.68,-2740.59 v1(3774.68,-2742.09)
  BOTTOM w4.06: C34.2@3075.81,-1840 3086.63,-1829.18 3153.32,-1829.18 cw(c3153.31,-1890.01) 3196.33,-1847 3394.08,-2044.75 cw(c3356.53,-2082.31) 3409.64,-2082.3 3409.64,-2360.23 cw(c3391.59,-2360.22) 3404.35,-2372.99 ccw(c3430.17,-2398.83) 3393.64,-2398.82 3393.64,-2481.39 ccw(c3448.96,-2481.4) 3409.84,-2520.51 3456.54,-2567.21 ccw(c3516.39,-2507.35) 3516.4,-2592 3665.87,-2592 cw(c3665.87,-2648.66) 3705.94,-2608.6 ccw(c3727.99,-2586.53) 3728,-2617.73 3748.63,-2617.73 ccw(c3748.63,-2600) 3766.36,-2600 3766.36,-2594.64 v1(3771.68,-2589.32) ; v1(3707.12,-2804.97) 3701.8,-2799.65 3701.8,-2781.78 cw(c3716,-2781.78) 3716,-2767.58 3753.78,-2767.58 ccw(c3753.78,-2752) 3769.36,-2752 3769.36,-2747.41 v1(3774.68,-2742.09)
N9930591: R134.2 U10.1 | length 57.5
  BOTTOM w12: R134.2@2843.75,-1952 2844.49,-1952.74 U10.1@2900.94,-1952.74
N9938736: R92.2 U7.3 | length 48.8
  TOP w15: R92.2@3887.75,-2772.86 3897.4,-2763.21 U7.3@3897.4,-2728.04
N9945183: Q3.3 Q27.1 R63.2 | length 341.3
  BOTTOM w5: Q3.3@580.63,-812 552.44,-783.81 552.44,-670.7 560.73,-662.41 612.18,-662.41 632.18,-682.41 Q27.1@659.37,-682.41 686.41,-682.41 708.19,-704.19 R63.2@708.19,-716
N9946770: J14.44 R67.2 | length 127.5
  BOTTOM w5: J14.44@406.63,-1891.06 447.06,-1891.06 500,-1944 R67.2@512.19,-1944
N9948789: R68.1 Y2.3 | length 57.7
  BOTTOM w5: R68.1@655.81,-1212 677.46,-1233.65 Y2.3@677.46,-1260.69

## Text inside footprints (layer, text, board x,y; h text height)
U1: PIN_NUMBER "6" at 792.54,-2292.44 h10 r180; PIN_NUMBER "7" at 775.81,-2283.58 h10 r90; PIN_NUMBER "9" at 727.58,-2292.44 h10 r180; PIN_NUMBER "8" at 760.06,-2283.58 h10 r90; PIN_NUMBER "2" at 775.81,-2348.54 h10 r90; PIN_NUMBER "1" at 760.06,-2348.54 h10 r90; PIN_NUMBER "3" at 792.54,-2339.69 h10 r180; PIN_NUMBER "12" at 719.58,-2339.69 h10 r180; PIN_NUMBER "4" at 792.54,-2323.94 h10 r180; PIN_NUMBER "11" at 719.58,-2323.94 h10 r180; PIN_NUMBER "10" at 719.58,-2308.19 h10 r180; PIN_NUMBER "5" at 792.54,-2308.19 h10 r180
U2: PIN_NUMBER "4" at 3628.41,-2986.73 h10 r90; PIN_NUMBER "5" at 3628.41,-2970.99 h10 r90; PIN_NUMBER "7" at 3654,-2945.4 h10 r90; PIN_NUMBER "8" at 3669.75,-2945.4 h10 r90; PIN_NUMBER "2" at 3654,-3012.32 h10 r90; PIN_NUMBER "3" at 3638.25,-3012.32 h10 r90; PIN_NUMBER "1" at 3669.75,-3012.32 h10 r90; PIN_NUMBER "9" at 3679.59,-2970.99 h10 r90; PIN_NUMBER "6" at 3638.25,-2945.4 h10 r90; PIN_NUMBER "10" at 3687.59,-2986.73 h10 r90
U3: PIN_NUMBER "17" at 3216,-592 h25 r90; PIN_NUMBER "14" at 3263.24,-583.14 h25 r90; PIN_NUMBER "6" at 3158.76,-600.86 h25 r90; PIN_NUMBER "9" at 3179.43,-544.76 h25 r90; PIN_NUMBER "7" at 3158.76,-583.14 h25 r90; PIN_NUMBER "15" at 3263.24,-600.86 h25 r90; PIN_NUMBER "16" at 3263.24,-618.57 h25 r90; PIN_NUMBER "5" at 3158.76,-618.57 h25 r90; PIN_NUMBER "10" at 3207.14,-544.76 h25 r90; PIN_NUMBER "11" at 3224.86,-544.76 h25 r90; PIN_NUMBER "13" at 3263.24,-565.43 h25 r90; PIN_NUMBER "1" at 3232.57,-639.24 h25 r90; PIN_NUMBER "8" at 3158.76,-565.43 h25 r90; PIN_NUMBER "12" at 3242.57,-544.76 h25 r90; PIN_NUMBER "2" at 3214.86,-639.24 h25 r90; PIN_NUMBER "3" at 3197.14,-639.24 h25 r90; PIN_NUMBER "4" at 3179.43,-639.24 h25 r90; ASSEMBLY_TOP "SY8386J" at 3325.23,-659.75 h25 r90
U4: PIN_NUMBER "11" at 3255.89,-1236.12 h15 r90; PIN_NUMBER "3" at 3165.15,-1236.12 h15 r90; PIN_NUMBER "4" at 3154.85,-1207.57 h10; PIN_NUMBER "8" at 3234.64,-1171.75 h15; PIN_NUMBER "12" at 3255.89,-1270.76 h15 r90; PIN_NUMBER "2" at 3165.15,-1270.76 h15 r90; PIN_NUMBER "6" at 3199.2,-1171.75 h15; PIN_NUMBER "13" at 3273.61,-1295.37 h15 r90; PIN_NUMBER "7" at 3216.92,-1171.75 h15; PIN_NUMBER "5" at 3181.49,-1171.75 h15; PIN_NUMBER "10" at 3277.02,-1207.57 h10; PIN_NUMBER "1" at 3207.08,-1317.42 h15; PIN_NUMBER "9" at 3252.35,-1171.75 h15
U5: REVISION "10" at 2256,-1240 h20 r270; PIN_NUMBER "3" at 2281.39,-1265.59 h8 r270; PIN_NUMBER "1" at 2281.39,-1214.41 h8 r270; PIN_NUMBER "4" at 2205.01,-1265.59 h8 r270; PIN_NUMBER "5" at 2205.01,-1214.41 h8 r270; PIN_NUMBER "2" at 2281.39,-1240 h8 r270; ASSEMBLY_TOP "74LVC1G07GW" at 2348,-1240 h20 r270; MECH_DIMENSION "2.40" at 2243.54,-1319.09 h9.25 r270; MECH_DIMENSION "1.40" at 2243.54,-1290.16 h9.25 r270; MECH_DIMENSION "2.15" at 2336.45,-1241.38 h9.25 r270; MECH_DIMENSION "0.46" at 2281.73,-1162.6 h9.25 r270; MECH_DIMENSION "0.30" at 2169.13,-1289.21 h9.25 r270; MECH_DIMENSION "0.65" at 2149.06,-1192.36 h9.25 r270
U6: PIN_NUMBER "7" at 1393.24,-176.86 h25 r270; PIN_NUMBER "17" at 1356,-168 h25 r270; PIN_NUMBER "14" at 1308.76,-176.86 h25 r270; PIN_NUMBER "6" at 1393.24,-159.14 h25 r270; PIN_NUMBER "9" at 1372.57,-215.24 h25 r270; PIN_NUMBER "12" at 1329.43,-215.24 h25 r270; PIN_NUMBER "8" at 1393.24,-194.57 h25 r270; PIN_NUMBER "13" at 1308.76,-194.57 h25 r270; PIN_NUMBER "1" at 1319.43,-120.76 h25 r270; PIN_NUMBER "11" at 1347.14,-215.24 h25 r270; PIN_NUMBER "10" at 1364.86,-215.24 h25 r270; PIN_NUMBER "15" at 1308.76,-159.14 h25 r270; PIN_NUMBER "16" at 1308.76,-141.43 h25 r270; PIN_NUMBER "5" at 1393.24,-141.43 h25 r270; PIN_NUMBER "3" at 1354.86,-120.76 h25 r270; PIN_NUMBER "4" at 1372.57,-120.76 h25 r270; PIN_NUMBER "2" at 1337.14,-120.76 h25 r270; ASSEMBLY_TOP "SY8386J" at 1206.77,-100.25 h25 r270
U7: PIN_NUMBER "2" at 3848,-2728.04 h30 r270; PIN_NUMBER "5" at 3810.6,-2625.68 h30 r270; PIN_NUMBER "3" at 3885.4,-2728.04 h30 r270; PIN_NUMBER "1" at 3810.6,-2728.04 h30 r270; PIN_NUMBER "4" at 3885.4,-2625.68 h30 r270
U8: PIN_NUMBER "3" at 3510.2,-2680.74 h12 r180; PIN_NUMBER "8" at 3510.2,-2711.26 h12 r180; PIN_NUMBER "6" at 3470.83,-2713.22 h12 r180; PIN_NUMBER "5" at 3470.83,-2678.78 h12 r180; PIN_NUMBER "7" at 3490.52,-2713.22 h12 r180; PIN_NUMBER "4" at 3490.52,-2678.78 h12 r180; PIN_NUMBER "10" at 3544.77,-2713.22 h12 r180; PIN_NUMBER "1" at 3549.57,-2678.78 h12 r180; PIN_NUMBER "9" at 3529.88,-2713.22 h12 r180; PIN_NUMBER "2" at 3529.88,-2678.78 h12 r180
U9: PIN_NUMBER "3" at 3727.2,-2711.26 h12; PIN_NUMBER "8" at 3727.2,-2680.74 h12; PIN_NUMBER "7" at 3746.88,-2678.78 h12; PIN_NUMBER "4" at 3746.88,-2713.22 h12; PIN_NUMBER "6" at 3766.57,-2678.78 h12; PIN_NUMBER "5" at 3766.57,-2713.22 h12; PIN_NUMBER "1" at 3687.83,-2713.22 h12; PIN_NUMBER "10" at 3683.03,-2678.78 h12; PIN_NUMBER "2" at 3707.52,-2713.22 h12; PIN_NUMBER "9" at 3707.52,-2678.78 h12
U10: PIN_NUMBER "19" at 2979.98,-1972.42 h25; PIN_NUMBER "21" at 3010.15,-1873.84 h25; PIN_NUMBER "10" at 2979.98,-1795.26 h25; PIN_NUMBER "4" at 2910.94,-1893.68 h25 r90; PIN_NUMBER "5" at 2910.94,-1874 h25 r90; PIN_NUMBER "9" at 2950.31,-1795.26 h25; PIN_NUMBER "20" at 2960.31,-1972.42 h25; PIN_NUMBER "12" at 3019.35,-1834.63 h25 r90; PIN_NUMBER "16" at 3019.35,-1913.37 h25 r90; PIN_NUMBER "13" at 3019.35,-1854.32 h25 r90; PIN_NUMBER "8" at 2910.94,-1814.94 h25 r90; PIN_NUMBER "11" at 3019.35,-1814.94 h25 r90; PIN_NUMBER "18" at 3019.35,-1952.74 h25 r90; PIN_NUMBER "3" at 2910.94,-1913.37 h25 r90; PIN_NUMBER "7" at 2910.94,-1834.63 h25 r90; PIN_NUMBER "17" at 3019.35,-1933.06 h25 r90; PIN_NUMBER "6" at 2910.94,-1854.32 h25 r90; PIN_NUMBER "14" at 3019.35,-1874 h25 r90; PIN_NUMBER "1" at 2910.94,-1952.74 h25 r90; PIN_NUMBER "2" at 2910.94,-1933.06 h25 r90; PIN_NUMBER "15" at 3019.35,-1893.68 h25 r90
U11: PIN_NUMBER "2" at 1851.18,-948 h30; PIN_NUMBER "3" at 1851.18,-910.6 h30; PIN_NUMBER "5" at 1748.82,-985.4 h30; PIN_NUMBER "1" at 1851.18,-985.4 h30; PIN_NUMBER "4" at 1748.82,-910.6 h30
U12: PIN_NUMBER "1" at 2958.88,-485.96 h9.25 r180; PIN_NUMBER "2" at 2958.88,-466.28 h9.25 r180; PIN_NUMBER "5" at 2891.52,-466.28 h9.25 r180; PIN_NUMBER "4" at 2891.52,-446.6 h9.25 r180; PIN_NUMBER "6" at 2891.52,-485.96 h9.25 r180; PIN_NUMBER "3" at 2958.88,-446.6 h9.25 r180; ASSEMBLY_TOP "MP1657GTF 2A" at 2869.61,-450.53 h20 r180; ASSEMBLY_TOP "SOT563" at 2869.61,-478.09 h20 r180; ASSEMBLY_TOP "MP1658GTF" at 2869.61,-422.97 h20 r180
U13: PIN_NUMBER "23" at 100.94,-511.74 h11.81; PIN_NUMBER "1" at 190.58,-1018.63 h10; PIN_NUMBER "4" at 190.58,-959.57 h10; PIN_NUMBER "7" at 190.58,-900.52 h10; PIN_NUMBER "19" at 182.58,-664.3 h10; PIN_NUMBER "16" at 182.58,-723.35 h10; PIN_NUMBER "13" at 182.58,-782.41 h10; PIN_NUMBER "10" at 182.58,-841.46 h10; PIN_NUMBER "24" at 100.94,-1104.26 h11.81; PIN_NUMBER "11" at 182.58,-821.78 h10; PIN_NUMBER "15" at 182.58,-743.04 h10; PIN_NUMBER "12" at 182.58,-802.09 h10; PIN_NUMBER "14" at 182.58,-762.72 h10; PIN_NUMBER "22" at 182.58,-605.24 h10; PIN_NUMBER "18" at 182.58,-683.98 h10; PIN_NUMBER "2" at 190.58,-998.94 h10; PIN_NUMBER "3" at 190.58,-979.26 h10; PIN_NUMBER "6" at 190.58,-920.2 h10; PIN_NUMBER "5" at 190.58,-939.89 h10; PIN_NUMBER "9" at 190.58,-861.15 h10; PIN_NUMBER "8" at 190.58,-880.83 h10; PIN_NUMBER "20" at 182.58,-644.61 h10; PIN_NUMBER "17" at 182.58,-703.67 h10; PIN_NUMBER "21" at 182.58,-624.93 h10
U14: PIN_NUMBER "4" at 194.58,-1947.57 h10; PIN_NUMBER "23" at 104.94,-1499.74 h11.81; PIN_NUMBER "24" at 104.94,-2092.26 h11.81; PIN_NUMBER "19" at 186.58,-1652.3 h10; PIN_NUMBER "16" at 186.58,-1711.35 h10; PIN_NUMBER "13" at 186.58,-1770.41 h10; PIN_NUMBER "10" at 186.58,-1829.46 h10; PIN_NUMBER "7" at 194.58,-1888.52 h10; PIN_NUMBER "1" at 194.58,-2006.63 h10; PIN_NUMBER "6" at 194.58,-1908.2 h10; PIN_NUMBER "18" at 186.58,-1671.98 h10; PIN_NUMBER "3" at 194.58,-1967.26 h10; PIN_NUMBER "22" at 186.58,-1593.24 h10; PIN_NUMBER "2" at 194.58,-1986.94 h10; PIN_NUMBER "9" at 194.58,-1849.15 h10; PIN_NUMBER "8" at 194.58,-1868.83 h10; PIN_NUMBER "5" at 194.58,-1927.89 h10; PIN_NUMBER "12" at 186.58,-1790.09 h10; PIN_NUMBER "11" at 186.58,-1809.78 h10; PIN_NUMBER "14" at 186.58,-1750.72 h10; PIN_NUMBER "15" at 186.58,-1731.04 h10; PIN_NUMBER "17" at 186.58,-1691.67 h10; PIN_NUMBER "20" at 186.58,-1632.61 h10; PIN_NUMBER "21" at 186.58,-1612.93 h10
U15: REVISION "10" at 273.51,-402.49 h20 r90; PIN_NUMBER "1" at 324.5,-428.08 h8 r90; PIN_NUMBER "3" at 324.5,-376.9 h8 r90; PIN_NUMBER "5" at 248.12,-428.08 h8 r90; PIN_NUMBER "2" at 324.5,-402.49 h8 r90; PIN_NUMBER "4" at 248.12,-376.9 h8 r90; ASSEMBLY_TOP "AIP74LV1T125GB235" at 173.51,-402.49 h20 r90; MECH_DIMENSION "2.40" at 293.05,-323.4 h9.25 r90; MECH_DIMENSION "1.40" at 293.05,-352.33 h9.25 r90; MECH_DIMENSION "2.15" at 356.36,-401.11 h9.25 r90; MECH_DIMENSION "0.46" at 331.24,-479.89 h9.25 r90; MECH_DIMENSION "0.30" at 218.64,-353.28 h9.25 r90; MECH_DIMENSION "0.65" at 198.57,-450.13 h9.25 r90
U16: REVISION "10" at 273.51,-1522.49 h20 r90; PIN_NUMBER "1" at 324.5,-1548.08 h8 r90; PIN_NUMBER "3" at 324.5,-1496.9 h8 r90; PIN_NUMBER "5" at 248.12,-1548.08 h8 r90; PIN_NUMBER "2" at 324.5,-1522.49 h8 r90; PIN_NUMBER "4" at 248.12,-1496.9 h8 r90; ASSEMBLY_TOP "AIP74LV1T125GB235" at 173.51,-1522.49 h20 r90; MECH_DIMENSION "0.65" at 198.57,-1570.13 h9.25 r90; MECH_DIMENSION "0.30" at 218.64,-1473.28 h9.25 r90; MECH_DIMENSION "0.46" at 331.24,-1599.89 h9.25 r90; MECH_DIMENSION "2.15" at 356.36,-1521.11 h9.25 r90; MECH_DIMENSION "1.40" at 293.05,-1472.33 h9.25 r90; MECH_DIMENSION "2.40" at 293.05,-1443.4 h9.25 r90
U17: PIN_NUMBER "2" at 2062.18,-2320 h30; PIN_NUMBER "4" at 1959.82,-2282.6 h30; PIN_NUMBER "5" at 1959.82,-2357.4 h30; PIN_NUMBER "3" at 2062.18,-2282.6 h30; PIN_NUMBER "1" at 2062.18,-2357.4 h30
U19: REVISION "10" at 2476,-812 h20 r270; PIN_NUMBER "1" at 2450.61,-786.41 h8 r270; PIN_NUMBER "3" at 2450.61,-837.59 h8 r270; PIN_NUMBER "2" at 2450.61,-812 h8 r270; PIN_NUMBER "5" at 2526.99,-786.41 h8 r270; PIN_NUMBER "4" at 2526.99,-837.59 h8 r270; ASSEMBLY_TOP "74LVC1G07GW" at 2384,-812 h20 r270; MECH_DIMENSION "2.40" at 2488.46,-891.09 h9.25 r270; MECH_DIMENSION "1.40" at 2488.46,-862.16 h9.25 r270; MECH_DIMENSION "2.15" at 2395.55,-813.38 h9.25 r270; MECH_DIMENSION "0.46" at 2450.27,-734.6 h9.25 r270; MECH_DIMENSION "0.30" at 2562.87,-861.21 h9.25 r270; MECH_DIMENSION "0.65" at 2582.94,-764.36 h9.25 r270
U20: REVISION "10" at 2696,-468 h20 r90; PIN_NUMBER "3" at 2746.99,-442.41 h8 r90; PIN_NUMBER "1" at 2746.99,-493.59 h8 r90; PIN_NUMBER "4" at 2670.61,-442.41 h8 r90; PIN_NUMBER "5" at 2670.61,-493.59 h8 r90; PIN_NUMBER "2" at 2746.99,-468 h8 r90; ASSEMBLY_TOP "AIP74LV1T125GB235" at 2596,-468 h20 r90; MECH_DIMENSION "2.40" at 2715.54,-388.91 h9.25 r90; MECH_DIMENSION "1.40" at 2715.54,-417.84 h9.25 r90; MECH_DIMENSION "2.15" at 2778.85,-466.62 h9.25 r90; MECH_DIMENSION "0.46" at 2753.73,-545.4 h9.25 r90; MECH_DIMENSION "0.30" at 2641.13,-418.79 h9.25 r90; MECH_DIMENSION "0.65" at 2621.06,-515.64 h9.25 r90
U21: REVISION "4" at 2763.8,-666.8 h40 r180; PIN_NUMBER "8" at 2786.64,-627.9 h8 r180; PIN_NUMBER "7" at 2806.33,-627.9 h8 r180; PIN_NUMBER "21" at 2773.6,-684 h8 r180; PIN_NUMBER "3" at 2832.9,-693.84 h8 r180; PIN_NUMBER "12" at 2717.5,-654.47 h8 r180; PIN_NUMBER "16" at 2717.5,-740.1 h8 r180; PIN_NUMBER "13" at 2717.5,-674.16 h8 r180; PIN_NUMBER "4" at 2832.9,-674.16 h8 r180; PIN_NUMBER "10" at 2744.07,-627.9 h8 r180; PIN_NUMBER "14" at 2717.5,-693.84 h8 r180; PIN_NUMBER "19" at 2783.44,-740.1 h8 r180; PIN_NUMBER "6" at 2832.9,-627.9 h8 r180; PIN_NUMBER "9" at 2766.96,-627.9 h8 r180; PIN_NUMBER "18" at 2763.76,-740.1 h8 r180; PIN_NUMBER "17" at 2744.07,-740.1 h8 r180; PIN_NUMBER "15" at 2717.5,-713.53 h8 r180; PIN_NUMBER "11" at 2717.5,-627.9 h8 r180; PIN_NUMBER "1" at 2832.9,-740.1 h8 r180; PIN_NUMBER "2" at 2832.9,-713.53 h8 r180; PIN_NUMBER "5" at 2832.9,-654.47 h8 r180; PIN_NUMBER "20" at 2803.13,-740.1 h8 r180; NVIDIA_INFO "0.65" at 2663.54,-736.17 h8 r180; NVIDIA_INFO "1.70" at 2663.54,-680.06 h8 r180; NVIDIA_INFO "1.70" at 2767.2,-756.91 h8 r180; NVIDIA_INFO "2.85" at 2767.2,-775.54 h8 r180; NVIDIA_INFO "3.50" at 2767.2,-792.35 h8 r180; NVIDIA_INFO "0.50" at 2837,-591.64 h8 r180; NVIDIA_INFO "0.28" at 2837,-602.7 h8 r180; NVIDIA_INFO "0.65" at 2663.54,-602.7 h8 r180; NVIDIA_INFO "3.50" at 2628.7,-680.06 h8 r180; NVIDIA_INFO "2.85" at 2862.16,-680.06 h8 r180; MECH_DIMENSION "1.70" at 2767.2,-771.36 h8 r180; MECH_DIMENSION "1.75" at 2767.2,-783.69 h8 r180; MECH_DIMENSION "0.85" at 2849.33,-753.09 h8 r180; MECH_DIMENSION "0.05" at 2674.01,-767.54 h8 r180; MECH_DIMENSION "0.40" at 2666.41,-754.87 h8 r180; MECH_DIMENSION "1.27" at 2849.33,-704.67 h8 r180; MECH_DIMENSION "2.53" at 2884.48,-680.06 h8 r180; MECH_DIMENSION "1.27" at 2792.12,-576.99 h8 r180; MECH_DIMENSION "2.53" at 2767.2,-557.03 h8 r180; MECH_DIMENSION "0.85" at 2683.93,-695.22 h8 r180; MECH_DIMENSION "1.70" at 2657.08,-680.06 h8 r180; MECH_DIMENSION "1.75" at 2625.43,-680.06 h8 r180; MECH_DIMENSION "0.25" at 2686.81,-608.45 h8 r180; MECH_DIMENSION "0.25" at 2686.81,-597.98 h8 r180; MECH_DIMENSION "0.50" at 2830.86,-608.45 h8 r180; MECH_DIMENSION "3.00" at 2767.2,-800.1 h8 r180; MECH_DIMENSION "3.10" at 2767.2,-814.63 h8 r180; MECH_DIMENSION "3.00" at 2918.14,-680.06 h8 r180; MECH_DIMENSION "3.10" at 2951.85,-680.06 h8 r180; MECH_DIMENSION "0.32x0.32" at 2691.38,-631.68 h8 r180
U22: REVISION "10" at 1420,-528 h20 r270; PIN_NUMBER "3" at 1394.61,-553.59 h8 r270; PIN_NUMBER "1" at 1394.61,-502.41 h8 r270; PIN_NUMBER "4" at 1470.99,-553.59 h8 r270; PIN_NUMBER "2" at 1394.61,-528 h8 r270; PIN_NUMBER "5" at 1470.99,-502.41 h8 r270; ASSEMBLY_TOP "AIP74LV1T125GB235" at 1280,-528 h20 r270; MECH_DIMENSION "2.40" at 1432.46,-607.09 h9.25 r270; MECH_DIMENSION "1.40" at 1432.46,-578.16 h9.25 r270; MECH_DIMENSION "2.15" at 1339.55,-529.38 h9.25 r270; MECH_DIMENSION "0.46" at 1394.27,-450.6 h9.25 r270; MECH_DIMENSION "0.30" at 1506.87,-577.21 h9.25 r270; MECH_DIMENSION "0.65" at 1526.94,-480.36 h9.25 r270